# KiCad board TFLN_AI_NODE_X2.kicad_pcb (continued)
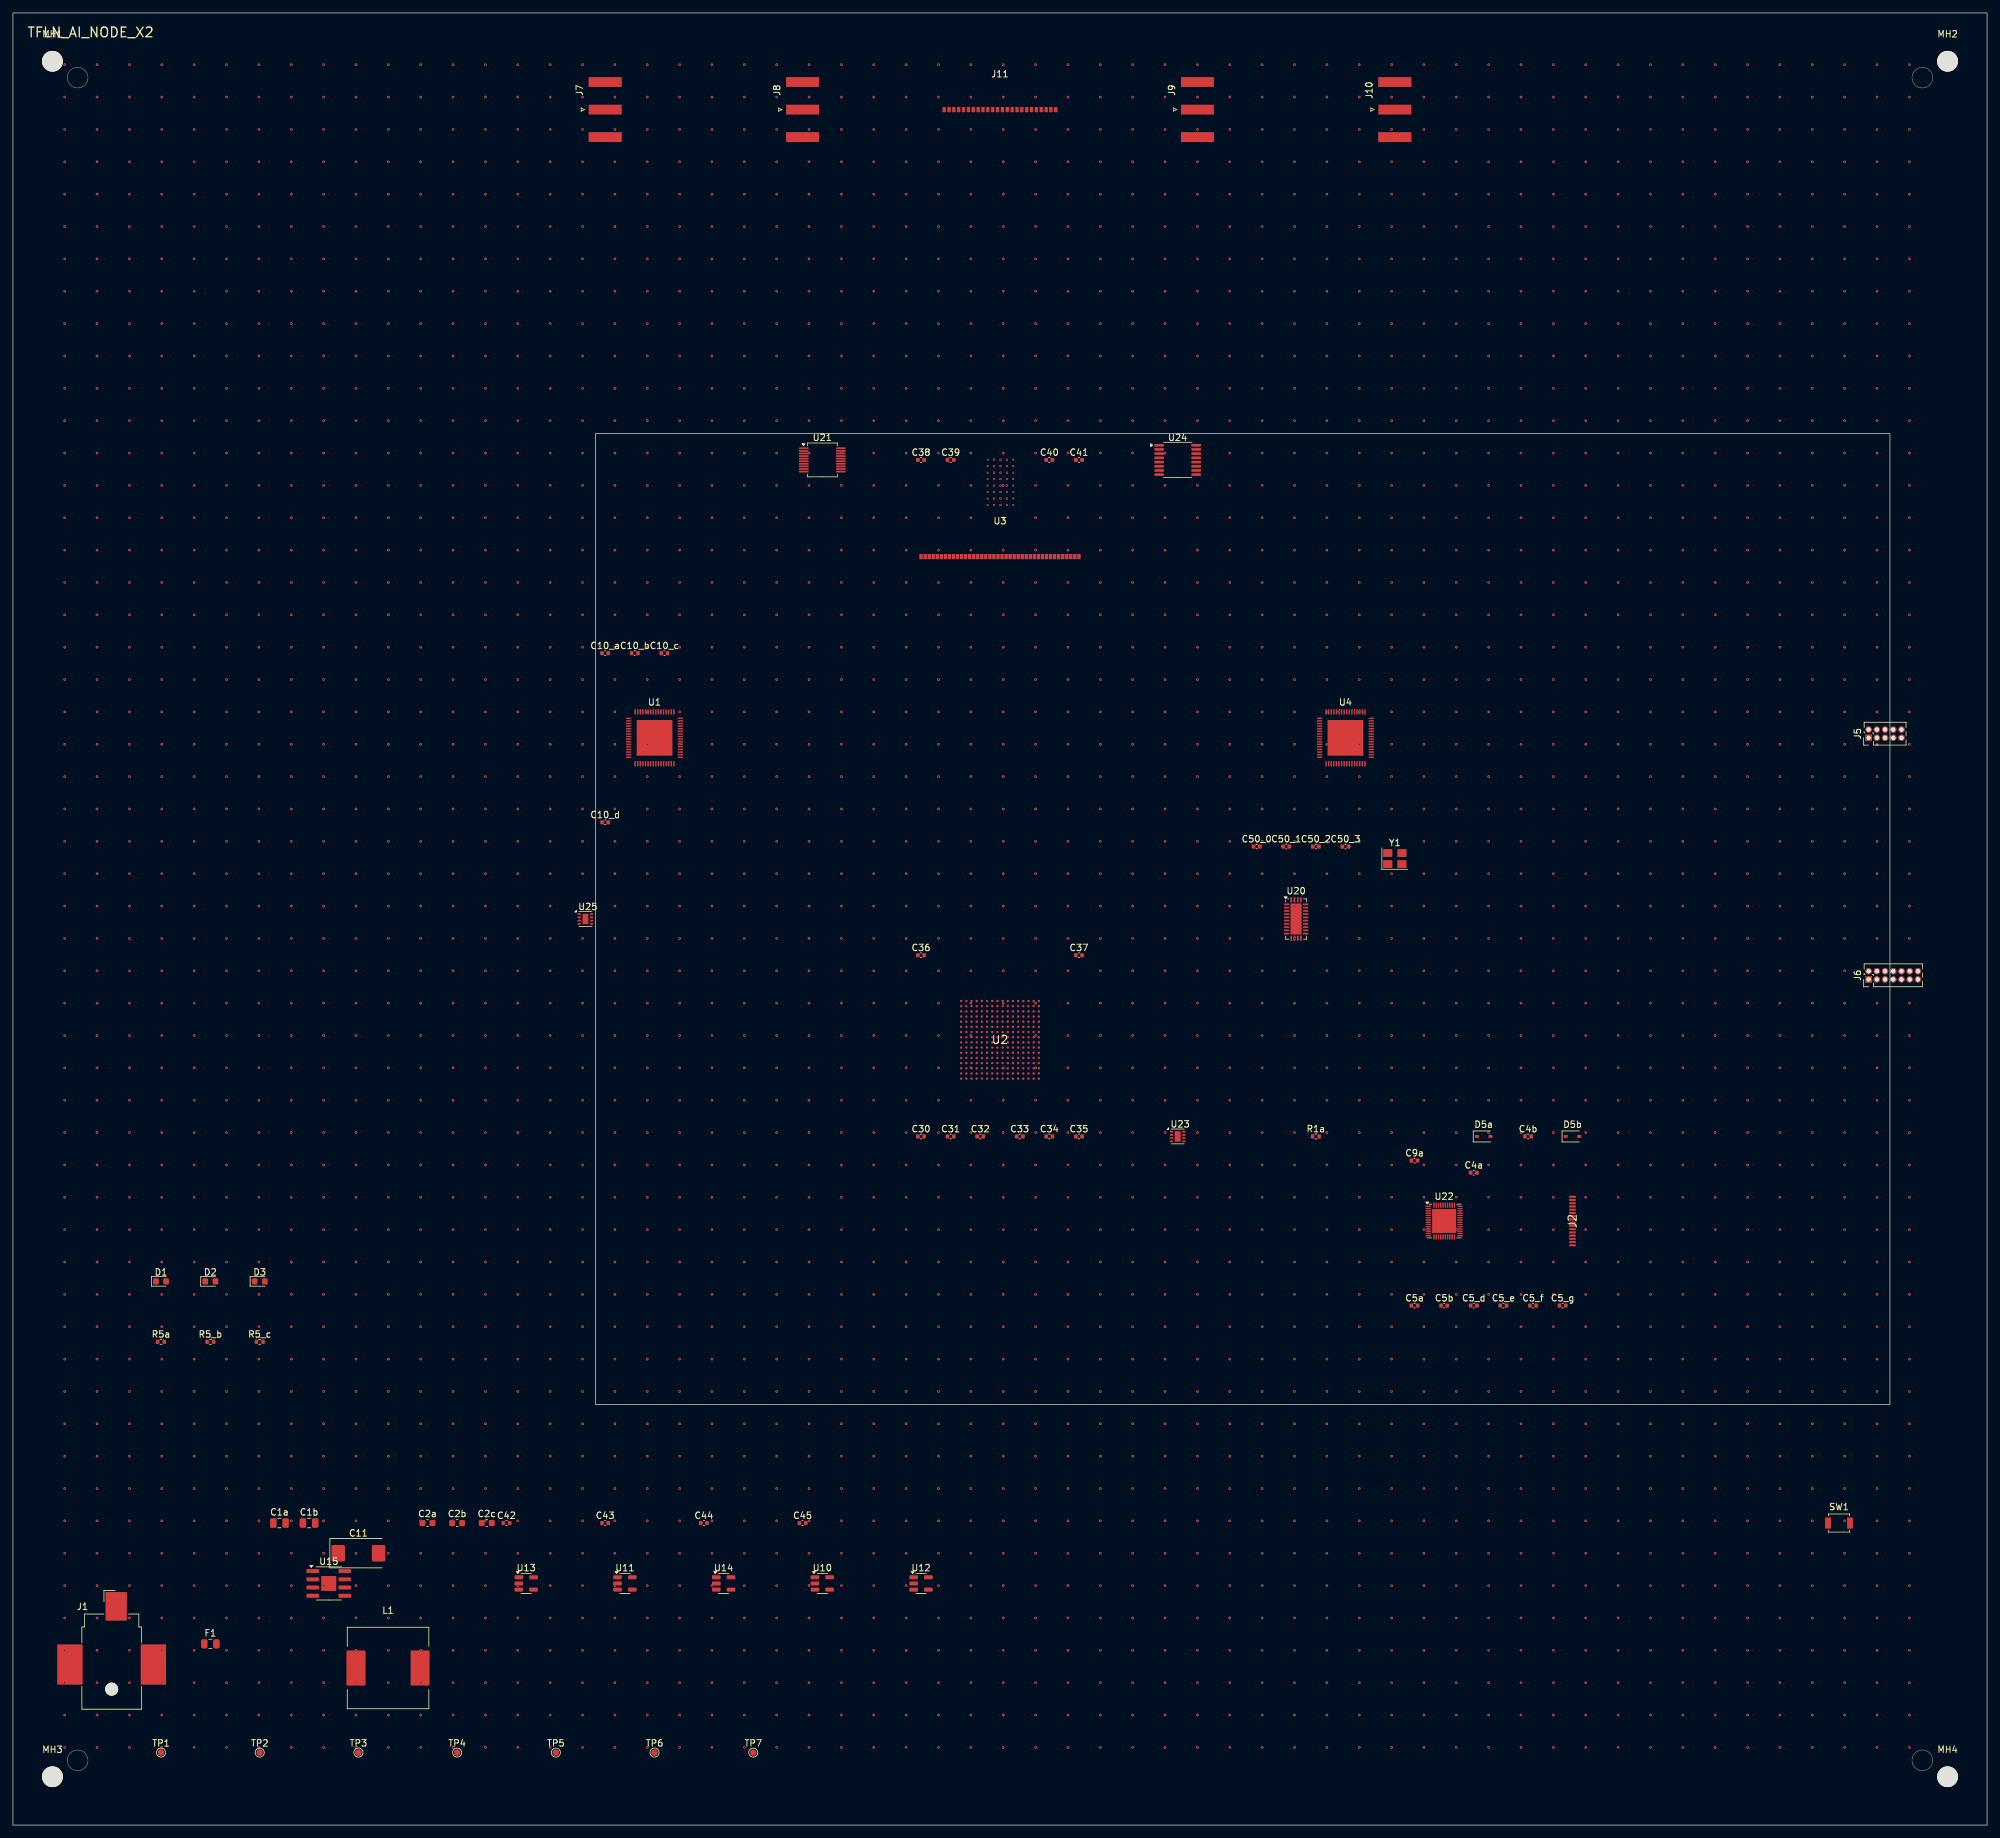
[diagram p0: board, top side]
## Footprints (pads in the part's own frame, mm; a bottom-side part is the same pattern mirrored in y, then rotated) (continued)
D_SOD-323
  rrect 0.6x0.45 smd: 1(-1.05,0) 2(1.05,0)
Fuse_0805_2012Metric
  rrect 0.975x1.4 smd: 1(-0.938,0) 2(0.938,0)
HSOP-8-1EP_3.9x4.9mm_P1.27mm_EP2.3x2.3mm
  rrect 0.93x0.93 smd: (-0.575,0.575) (-0.575,-0.575) (0.575,0.575) (0.575,-0.575)
  rrect 1.95x0.6 smd: 1(-2.475,1.905) 2(-2.475,0.635) 3(-2.475,-0.635) 4(-2.475,-1.905) 5(2.475,-1.905) 6(2.475,-0.635) 7(2.475,0.635) 8(2.475,1.905)
  rect 2.3x2.3 smd: 9(0,0)
L_12x12mm_H4.5mm
  rect 2.9x5.4 smd: 1(-4.95,0) 2(4.95,0)
LED_0603_1608Metric
  rrect 0.875x0.95 smd: 1(-0.787,0) 2(0.787,0)
MountingHole_3.2mm_M3
  round 3.2 hole 3.2 unplated: (0,0)
MPO-24
  rect 0.5x0.8 smd: 1(-8.625,0) 2(-7.875,0) 3(-7.125,0) 4(-6.375,0) 5(-5.625,0) 6(-4.875,0) 7(-4.125,0) 8(-3.375,0) 9(-2.625,0) 10(-1.875,0) 11(-1.125,0) 12(-0.375,0) 13(0.375,0) 14(1.125,0) 15(1.875,0) 16(2.625,0) 17(3.375,0) 18(4.125,0) 19(4.875,0) 20(5.625,0) 21(6.375,0) 22(7.125,0) 23(7.875,0) 24(8.625,0)
PinHeader_2x05_P1.27mm_Vertical
  rect 1x1 hole 0.65: 1(0,0)
  oval 1x1 hole 0.65: 2(1.27,0) 3(0,-1.27) 4(1.27,-1.27) 5(0,-2.54) 6(1.27,-2.54) 7(0,-3.81) 8(1.27,-3.81) 9(0,-5.08) 10(1.27,-5.08)
PinHeader_2x07_P1.27mm_Vertical
  rect 1x1 hole 0.65: 1(0,0)
  oval 1x1 hole 0.65: 2(1.27,0) 3(0,-1.27) 4(1.27,-1.27) 5(0,-2.54) 6(1.27,-2.54) 7(0,-3.81) 8(1.27,-3.81) 9(0,-5.08) 10(1.27,-5.08) 11(0,-6.35) 12(1.27,-6.35) 13(0,-7.62) 14(1.27,-7.62)
QFN-28-1EP_3x6mm_P0.5mm_EP1.7x4.75mm
  rrect 0.69x0.96 smd: (-0.425,1.785) (-0.425,0.595) (-0.425,-0.595) (-0.425,-1.785) (0.425,1.785) (0.425,0.595) (0.425,-0.595) (0.425,-1.785)
  rrect 0.825x0.25 smd: 1(-1.462,2.25) 2(-1.462,1.75) 3(-1.462,1.25) 4(-1.462,0.75) 5(-1.462,0.25) 6(-1.462,-0.25) 7(-1.462,-0.75) 8(-1.462,-1.25) 9(-1.462,-1.75) 10(-1.462,-2.25) 15(1.462,-2.25) 16(1.462,-1.75) 17(1.462,-1.25) 18(1.462,-0.75) 19(1.462,-0.25) 20(1.462,0.25) 21(1.462,0.75) 22(1.462,1.25) 23(1.462,1.75) 24(1.462,2.25)
  rrect 0.25x0.8 smd: 11(-0.75,-2.975) 12(-0.25,-2.975) 13(0.25,-2.975) 14(0.75,-2.975) 25(0.75,2.975) 26(0.25,2.975) 27(-0.25,2.975) 28(-0.75,2.975)
  rect 1.7x4.75 smd: 29(0,0)
QFN-48-1EP_5x5mm_P0.35mm_EP3.7x3.7mm
  rrect 0.99x0.99 smd: (-1.23,1.23) (-1.23,0) (-1.23,-1.23) (0,1.23) (0,0) (0,-1.23) (1.23,1.23) (1.23,0) (1.23,-1.23)
  rrect 0.8x0.2 smd: 1(-2.45,2.275) 2(-2.45,1.925) 3(-2.45,1.575) 4(-2.45,1.225) 5(-2.45,0.875) 6(-2.45,0.525) 7(-2.45,0.175) 8(-2.45,-0.175) 9(-2.45,-0.525) 10(-2.45,-0.875) 11(-2.45,-1.225) 12(-2.45,-1.575) 13(-2.45,-1.925) 14(-2.45,-2.275) 25(2.45,-2.275) 26(2.45,-1.925) 27(2.45,-1.575) 28(2.45,-1.225) 29(2.45,-0.875) 30(2.45,-0.525) 31(2.45,-0.175) 32(2.45,0.175) 33(2.45,0.525) 34(2.45,0.875) 35(2.45,1.225) 36(2.45,1.575) 37(2.45,1.925) 38(2.45,2.275)
  rrect 0.2x0.8 smd: 15(-1.575,-2.45) 16(-1.225,-2.45) 17(-0.875,-2.45) 18(-0.525,-2.45) 19(-0.175,-2.45) 20(0.175,-2.45) 21(0.525,-2.45) 22(0.875,-2.45) 23(1.225,-2.45) 24(1.575,-2.45) 39(1.575,2.45) 40(1.225,2.45) 41(0.875,2.45) 42(0.525,2.45) 43(0.175,2.45) 44(-0.175,2.45) 45(-0.525,2.45) 46(-0.875,2.45) 47(-1.225,2.45) 48(-1.575,2.45)
  rect 3.7x3.7 smd: 49(0,0)
QFN-64_8x8mm_P0.4mm
  rect 0.2x0.8 smd: 1(-3,-4) 2(-2.6,-4) 3(-2.2,-4) 4(-1.8,-4) 5(-1.4,-4) 6(-1,-4) 7(-0.6,-4) 8(-0.2,-4) 9(0.2,-4) 10(0.6,-4) 11(1,-4) 12(1.4,-4) 13(1.8,-4) 14(2.2,-4) 15(2.6,-4) 16(3,-4) 33(3,4) 34(2.6,4) 35(2.2,4) 36(1.8,4) 37(1.4,4) 38(1,4) 39(0.6,4) 40(0.2,4) 41(-0.2,4) 42(-0.6,4) 43(-1,4) 44(-1.4,4) 45(-1.8,4) 46(-2.2,4) 47(-2.6,4) 48(-3,4)
  rect 0.8x0.2 smd: 17(4,-3) 18(4,-2.6) 19(4,-2.2) 20(4,-1.8) 21(4,-1.4) 22(4,-1) 23(4,-0.6) 24(4,-0.2) 25(4,0.2) 26(4,0.6) 27(4,1) 28(4,1.4) 29(4,1.8) 30(4,2.2) 31(4,2.6) 32(4,3) 49(-4,3) 50(-4,2.6) 51(-4,2.2) 52(-4,1.8) 53(-4,1.4) 54(-4,1) 55(-4,0.6) 56(-4,0.2) 57(-4,-0.2) 58(-4,-0.6) 59(-4,-1) 60(-4,-1.4) 61(-4,-1.8) 62(-4,-2.2) 63(-4,-2.6) 64(-4,-3)
  rect 5.5x5.5 smd: 65(0,0)
R_0402_1005Metric
  rrect 0.54x0.64 smd: 1(-0.51,0) 2(0.51,0)
SMA_Amphenol_132289_EdgeMount
  rect 5.08x1.5 smd: 1(0,0) 2(0,4.25) 2(0,-4.25)
  rect 5.08x1.5 smd far side: 2(0,4.25) 2(0,-4.25)
SOT-23-5
  rrect 1.325x0.6 smd: 1(-1.137,0.95) 2(-1.137,0) 3(-1.137,-0.95) 4(1.137,-0.95) 5(1.137,0.95)
SW_SPST_B3U-1000P
  rect 0.9x1.7 smd: 1(-1.7,0) 2(1.7,0)
TestPoint_Pad_D1.0mm
  round 1 smd: 1(0,0)
TSOT-23-5
  rrect 1.325x0.6 smd: 1(-1.137,0.95) 2(-1.137,0) 3(-1.137,-0.95) 4(1.137,-0.95) 5(1.137,0.95)
TSSOP-16_4.4x5mm_P0.65mm
  rrect 1.475x0.4 smd: 1(-2.862,2.275) 2(-2.862,1.625) 3(-2.862,0.975) 4(-2.862,0.325) 5(-2.862,-0.325) 6(-2.862,-0.975) 7(-2.862,-1.625) 8(-2.862,-2.275) 9(2.862,-2.275) 10(2.862,-1.625) 11(2.862,-0.975) 12(2.862,-0.325) 13(2.862,0.325) 14(2.862,0.975) 15(2.862,1.625) 16(2.862,2.275)
TSSOP-20_4.4x5mm_P0.4mm
  rrect 1.475x0.25 smd: 1(-2.862,1.8) 2(-2.862,1.4) 3(-2.862,1) 4(-2.862,0.6) 5(-2.862,0.2) 6(-2.862,-0.2) 7(-2.862,-0.6) 8(-2.862,-1) 9(-2.862,-1.4) 10(-2.862,-1.8) 11(2.862,-1.8) 12(2.862,-1.4) 13(2.862,-1) 14(2.862,-0.6) 15(2.862,-0.2) 16(2.862,0.2) 17(2.862,0.6) 18(2.862,1) 19(2.862,1.4) 20(2.862,1.8)
USB_C_Numeric
  rect 0.3x1 smd: 1(-3.75,0) 2(-3.25,0) 3(-2.75,0) 4(-2.25,0) 5(-1.75,0) 6(-1.25,0) 7(-0.75,0) 8(-0.25,0) 9(0.25,0) 10(0.75,0) 11(1.25,0) 12(1.75,0) 13(2.25,0) 14(2.75,0) 15(3.25,0) 16(3.75,0)
WSON-8-1EP_2x2mm_P0.5mm_EP0.9x1.6mm
  rect 0.75x0.65 smd: (0,0.4) (0,-0.4)
  rrect 0.5x0.25 smd: 1(-0.95,0.75) 2(-0.95,0.25) 3(-0.95,-0.25) 4(-0.95,-0.75) 5(0.95,-0.75) 6(0.95,-0.25) 7(0.95,0.25) 8(0.95,0.75)
  rect 0.9x1.6 smd: 9(0,0)

## Nets
+0V9: C4b.1 C30.1 C31.1 C32.1 C33.1 TP6.1 U1.1 U1.2 U1.63 U4.1 U4.2 U4.63 U10.4
+1V0: C4a.1 C38.1 C39.1 C40.1 C41.1 TP5.1 U2.1 U2.2 U12.4
+1V8: C2b.1 C2c.1 C5b.1 C34.1 C35.1 C36.1 C37.1 C42.1 C43.1 C44.1 C45.1 C50_0.1 C50_1.1 C50_2.1 C50_3.1 TP4.1 U1.3 U1.4 U1.64 U2.3 U2.4 U3.1 U4.3 U4.4 U4.64 U10.1 U10.2 U11.4 U12.1 U12.2 U14.4 U20.2 U20.25 U20.26 U20.27
+3V3: C2a.1 C5_d.1 C5_e.1 C5_f.1 C5_g.1 C5a.1 J5.4 J6.1 R1a.1 R5a.1 TP3.1 U11.1 U11.2 U13.4 U14.1 U14.2 U20.1 U20.13 U21.1 U21.2 U21.17 U22.1 U22.2 U23.3 U23.7 U23.8 U24.1 U24.2 U24.13 U24.14 U25.1 Y1.1 Y1.2
+5V: C1b.1 L1.2 TP2.1 U13.1 U13.2
+5V_USB: J2.1
+12V: C1a.1 C11.1 F1.2 TP1.1 U15.2 U15.3
+12V_RAW: F1.1 J1.1
GND: C1a.2 C1b.2 C2a.2 C2b.2 C2c.2 C4a.2 C4b.2 C5_d.2 C5_e.2 C5_f.2 C5_g.2 C5a.2 C5b.2 C9a.2 C11.2 C30.2 C31.2 C32.2 C33.2 C34.2 C35.2 C36.2 C37.2 C38.2 C39.2 C40.2 C41.2 C42.2 C43.2 C44.2 C45.2 C50_0.2 C50_1.2 C50_2.2 C50_3.2 D1.2 D2.2 D3.2 D5a.2 D5b.2 J1.2 J2.8 J2.9 J5.2 J5.6 J6.2 J7.2 J8.2 J9.2 J10.2 SW1.2 TP7.1 U1.5 U1.6 U1.7 U1.8 U1.61 U1.62 U2.5 U2.6 U2.7 U2.8 U3.2 U3.3 U4.5 U4.6 U4.7 U4.8 U4.61 U4.62 U10.3 U11.5 U12.5 U13.5 U14.5 U15.4 U15.7 U20.3 U20.4 U20.6 U20.7 U20.8 U20.28 U21.3 U21.4 U21.18 U22.3 U22.4 U23.4 U24.3 U24.4 U24.12 U25.2 U25.6 U25.8 Y1.3
AXI_ACLK: U1.9 U2.9
AXI_ACLK_B: U4.9
AXI_ARADDR: U1.19
AXI_ARADDR_B: U4.19
AXI_ARESETN: U1.10 U2.10
AXI_ARESETN_B: U4.10
AXI_ARREADY: U1.21
AXI_ARREADY_B: U4.21
AXI_ARVALID: U1.20
AXI_ARVALID_B: U4.20
AXI_AWADDR: U1.11 U2.11
AXI_AWADDR_B: U4.11
AXI_AWREADY: U1.13
AXI_AWREADY_B: U4.13
AXI_AWVALID: U1.12 U2.12
AXI_AWVALID_B: U4.12
AXI_BRESP: U1.17
AXI_BRESP_B: U4.17
AXI_BVALID: U1.18
AXI_BVALID_B: U4.18
AXI_RDATA: U1.22 U2.15
AXI_RDATA_B: U4.22
AXI_RVALID: U1.23 U2.16
AXI_RVALID_B: U4.23
AXI_WDATA: U1.14 U2.13
AXI_WDATA_B: U4.14
AXI_WREADY: U1.16
AXI_WREADY_B: U4.16
AXI_WVALID: U1.15 U2.14
AXI_WVALID_B: U4.15
BOOT_5V: U15.1
CLK_12M: U22.11
CLK_12M_OUT: U22.12
CLK_100M: U20.5 Y1.4
CLK_100M_BUF: U20.23
CLK_100M_BUF_N: U20.24
CLK_CORE: U1.24 U2.25 U4.24 U20.15
CLK_CORE_N: U20.16
CLK_HBM: U20.21
CLK_HBM_N: U20.22
CLK_REF: U1.25 U2.26 U4.25 U20.17
CLK_REF_N: U20.18
CLK_SERDES: U20.19
CLK_SERDES_N: U20.20
COMP_5V: U15.6
DAC_V1: U3.12 U24.5
DAC_V2: U3.13 U24.6
DAC_V3: U3.14 U24.7
DAC_V4: U3.15 U24.8
FB_5V: U15.5
FLASH_CS: U2.20 U23.1
FLASH_MISO: U2.18 U23.2
FLASH_MOSI: U2.17 U23.5
FLASH_SCK: U2.19 U23.6
FPGA_GPIO0: J6.3 U2.29
FPGA_GPIO1: J6.4 U2.30
FPGA_GPIO2: J6.5 U2.31
FPGA_GPIO3: J6.6 U2.32
FT_PWREN: U22.21
FT_RXLED: R5_c.1 U22.23
FT_TXLED: R5_b.1 U22.22
HBM_DQ0: U1.41
HBM_DQ0_B: U4.41
HBM_DQ1: U1.42
HBM_DQ1_B: U4.42
HBM_DQ2: U1.43
HBM_DQ2_B: U4.43
HBM_DQ3: U1.44
HBM_DQ3_B: U4.44
HBM_DQ4: U1.45
HBM_DQ4_B: U4.45
HBM_DQ5: U1.46
HBM_DQ5_B: U4.46
HBM_DQ6: U1.47
HBM_DQ6_B: U4.47
HBM_DQ7: U1.48
HBM_DQ7_B: U4.48
I2C_SCL: J6.13 U1.49 U4.49 U20.10 U25.4
I2C_SDA: J6.14 U1.50 U4.50 U20.9 U25.3
JTAG_TCK: J5.1 U1.26 U2.21
JTAG_TCK_B: U4.26
JTAG_TDI: J5.9 U1.28 U2.23
JTAG_TDI_B: U4.28
JTAG_TDO: J5.3 U1.29 U2.24
JTAG_TDO_B: U4.29
JTAG_TMS: J5.5 U1.27 U2.22
JTAG_TMS_B: U4.27
JTAG_TRST: J5.10
LED_A: D1.1 R5a.2
LED_D2: D2.1 R5_b.2
LED_D3: D3.1 R5_c.2
MON_CH0: U3.25 U21.5
MON_CH1: U3.26 U21.6
MON_CH2: U3.27 U21.7
MON_CH3: U3.28 U21.8
MON_CH4: U3.29 U21.9
MON_CH5: U3.30 U21.10
MON_CH6: U3.31 U21.11
MON_CH7: U3.32 U21.12
NCE_GPIO0: U1.53
NCE_GPIO0_B: U4.53
NCE_GPIO1: U1.54
NCE_GPIO1_B: U4.54
NCE_GPIO2: U1.55
NCE_GPIO2_B: U4.55
NCE_GPIO3: U1.56
NCE_GPIO3_B: U4.56
NCE_PG: U1.58
NCE_PG_B: U4.58
NCE_STATUS: U1.59
NCE_STATUS_B: U4.59
NR_0V9: U10.5
NR_1V0: U12.3
NR_1V8: U11.3
NR_1V8F: U14.3
NR_3V3: U13.3
OPT_RX0: J11.5 U3.21
OPT_RX1: J11.6 U3.22
OPT_RX2: J11.7 U3.23
OPT_RX3: J11.8 U3.24
OPT_TX0: J11.1 U3.17
OPT_TX1: J11.2 U3.18
OPT_TX2: J11.3 U3.19
OPT_TX3: J11.4 U3.20
PLL_LOL: U20.12 U20.14
RESET_N: C9a.1 R1a.2 SW1.1 U1.60 U4.60 U20.11 U22.7
SMA_J7: C10_a.2 J7.1
SMA_J8: C10_b.2 J8.1
SMA_J9: C10_c.2 J9.1
SMA_J10: C10_d.2 J10.1
SPI_CLK: U1.30 U4.30 U21.13 U24.9
SPI_CS_ADC: U21.16
SPI_CS_DAC: U24.10
SPI_MISO: U1.32 U21.15
SPI_MISO_B: U4.32
SPI_MOSI: U1.31 U21.14 U24.11
SPI_MOSI_B: U4.31
SW_5V: L1.1 U15.8
TEMP_ALERT: U1.57 U25.5
TEMP_ALERT_B: U4.57
TEMP_DIODE: U3.16 U25.7
TFLN_TX_N0: C10_b.1 U1.34 U3.5
TFLN_TX_N0_B: U4.34
TFLN_TX_N1: C10_d.1 U1.36 U3.7
TFLN_TX_N1_B: U4.36
TFLN_TX_N2: U1.38 U3.9
TFLN_TX_N2_B: U4.38
TFLN_TX_N3: U1.40 U3.11
TFLN_TX_N3_B: U4.40
TFLN_TX_P0: C10_a.1 U1.33 U3.4
TFLN_TX_P0_B: U4.33
TFLN_TX_P1: C10_c.1 U1.35 U3.6
TFLN_TX_P1_B: U4.35
TFLN_TX_P2: U1.37 U3.8
TFLN_TX_P2_B: U4.37
TFLN_TX_P3: U1.39 U3.10
TFLN_TX_P3_B: U4.39
UART_CTS: U22.16
UART_RTS: U22.15
UART_RX: U1.52 U2.28 U22.14
UART_RX_B: U4.52
UART_TX: U1.51 U2.27 U22.13
UART_TX_B: U4.51
USB_DN: D5b.1 J2.5 U22.6
USB_DP: D5a.1 J2.4 U22.5

Pads without a net: J1 3; J2 2 3 6 7 10 11 12 13 14 15 16; J5 7 8; J6 7 8 9 10 11 12; J11 9 10 11 12 13 14 15 16 17 18 19 20 21 22 23 24; U1 65; U2 33 34 35 36 37 38 39 40 41 42 43 44 45 46 47 48 49 50 51 52 53 54 55 56 57 58 59 60 61 62 63 64 65 66 67 68 69 70 71 72 73 74 75 76 77 78 79 80 81 82 83 84 85 86 87 88 89 90 91 92 93 94 95 96 97 98 99 100 101 102 103 104 105 106 107 108 109 110 111 112 113 114 115 116 117 118 119 120 121 122 123 124 125 126 127 128 129 130 131 132 133 134 135 136 137 138 139 140 141 142 143 144 145 146 147 148 149 150 151 152 153 154 155 156 157 158 159 160 161 162 163 164 165 166 167 168 169 170 171 172 173 174 175 176 177 178 179 180 181 182 183 184 185 186 187 188 189 190 191 192 193 194 195 196 197 198 199 200 201 202 203 204 205 206 207 208 209 210 211 212 213 214 215 216 217 218 219 220 221 222 223 224 225 226 227 228 229 230 231 232 233 234 235 236 237 238 239 240 241 242 243 244 245 246 247 248 249 250 251 252 253 254 255 256; U3 33 34 35 36 37 38 39 40; U4 65; U15 9; U20 29; U21 19 20; U22 8 9 10 17 18 19 20 24 25 26 27 28 29 30 31 32 33 34 35 36 37 38 39 40 41 42 43 44 45 46 47 48 49; U23 9; U24 15 16; U25 9

## Via types
v1: diameter 0.4, hole 0.2, Top to Bottom, 3074 vias
v2: diameter 0.3, hole 0.15, Top to Bottom, 64 vias

## Routing (per net, layer and track width the routed paths; a pad name or vN(x,y) marks a point on that pad's centre or on a via; arc(x,y) is an arc through that point)
+1V8:
  vias: v1(68,47) v1(73,47) v1(148,127)
+3V3:
  vias: v1(63,47) v1(93,37) v1(108,37) v1(183,212)
+5V:
  vias: v1(63,27) v1(63,22) v1(78,37)
GND: length 178.8
  In5.Cu (L6 GND) w0.15: 101.12,166.36 150.5,166.36 ; 101.12,168.27 150.5,168.27
  In6.Cu (L7 TFLN/HBM) w0.1: 153,203.97 153,211.97 ; 153.2,203.97 153.2,211.97
  In6.Cu (L7 TFLN/HBM) w0.15: 152.4,203.97 152.4,211.97 ; 151.4,203.97 151.4,211.97 ; 153.75,203.97 153.75,211.97 ; 154.4,203.97 154.4,211.97 ; 152.75,203.97 152.75,211.97 ; 153.4,203.97 153.4,211.97 ; 151.75,203.97 151.75,211.97 ; 150.75,203.97 150.75,211.97
  vias: v1(8,272) v1(8,267) v1(8,262) v1(8,257) v1(8,252) v1(8,247) v1(8,242) v1(8,237) v1(8,232) v1(8,227) v1(8,222) v1(8,217) v1(8,212) v1(8,207) v1(8,202) v1(8,197) v1(8,192) v1(8,187) v1(8,182) v1(8,177) v1(8,172) v1(8,167) v1(8,162) v1(8,157) v1(8,152) v1(8,147) v1(8,142) v1(8,137) v1(8,132) v1(8,127) v1(8,122) v1(8,117) v1(8,112) v1(8,107) v1(8,102) v1(8,97) v1(8,92) v1(8,87) v1(8,82) v1(8,77) v1(8,72) v1(8,67) v1(8,62) v1(8,57) v1(8,52) v1(8,47) v1(8,42) v1(8,37) v1(8,32) v1(8,27) v1(8,22) v1(8,17) v1(8,12) v1(13,272) v1(13,267) v1(13,262) v1(13,257) v1(13,252) v1(13,247) v1(13,242) v1(13,237) v1(13,232) v1(13,227) v1(13,222) v1(13,217) v1(13,212) v1(13,207) v1(13,202) v1(13,197) v1(13,192) v1(13,187) v1(13,182) v1(13,177) v1(13,172) v1(13,167) v1(13,162) v1(13,157) v1(13,152) v1(13,147) v1(13,142) v1(13,137) v1(13,132) v1(13,127) v1(13,122) v1(13,117) v1(13,112) v1(13,107) v1(13,102) v1(13,97) v1(13,92) v1(13,87) v1(13,82) v1(13,77) v1(13,72) v1(13,67) v1(13,62) v1(13,57) v1(13,52) v1(13,47) v1(13,42) v1(13,37) v1(13,32) v1(13,27) v1(13,22) v1(13,17) v1(13,12) v1(18,272) v1(18,267) v1(18,262) v1(18,257) v1(18,252) v1(18,247) v1(18,242) v1(18,237) v1(18,232) v1(18,227) v1(18,222) v1(18,217) v1(18,212) v1(18,207) v1(18,202) v1(18,197) v1(18,192) v1(18,187) v1(18,182) v1(18,177) v1(18,172) v1(18,167) v1(18,162) v1(18,157) v1(18,152) v1(18,147) v1(18,142) v1(18,137) v1(18,132) v1(18,127) v1(18,122) v1(18,117) v1(18,112) v1(18,107) v1(18,102) v1(18,97) v1(18,92) v1(18,87) v1(18,82) v1(18,77) v1(18,72) v1(18,67) v1(18,62) v1(18,57) v1(18,52) v1(18,47) v1(18,42) v1(18,37) v1(18,32) v1(18,27) v1(18,22) v1(18,17) v1(18,12) v1(23,272) v1(23,267) v1(23,262) v1(23,257) v1(23,252) v1(23,247) v1(23,242) v1(23,237) v1(23,232) v1(23,227) v1(23,222) v1(23,217) v1(23,212) v1(23,207) v1(23,202) v1(23,197) v1(23,192) v1(23,187) v1(23,182) v1(23,177) v1(23,172) v1(23,167) v1(23,162) v1(23,157) v1(23,152) v1(23,147) v1(23,142) v1(23,137) v1(23,132) v1(23,127) v1(23,122) v1(23,117) v1(23,112) v1(23,107) v1(23,102) v1(23,97) v1(23,92) v1(23,87) v1(23,82) v1(23,77) v1(23,72) v1(23,67) v1(23,62) v1(23,57) v1(23,52) v1(23,47) v1(23,42) v1(23,37) v1(23,32) v1(23,27) v1(23,22) v1(23,17) v1(23,12) v1(28,272) v1(28,267) v1(28,262) v1(28,257) v1(28,252) v1(28,247) v1(28,242) v1(28,237) v1(28,232) v1(28,227) v1(28,222) v1(28,217) v1(28,212) v1(28,207) v1(28,202) v1(28,197) v1(28,192) v1(28,187) v1(28,182) v1(28,177) v1(28,172) v1(28,167) v1(28,162) v1(28,157) v1(28,152) v1(28,147) v1(28,142) v1(28,137) v1(28,132) v1(28,127) v1(28,122) v1(28,117) v1(28,112) v1(28,107) v1(28,102) v1(28,97) v1(28,92) v1(28,87) v1(28,82) v1(28,77) v1(28,72) v1(28,67) v1(28,62) v1(28,57) v1(28,52) v1(28,47) v1(28,42) v1(28,37) v1(28,32) v1(28,27) v1(28,22) v1(28,17) v1(28,12) v1(33,272) v1(33,267) v1(33,262) v1(33,257) v1(33,252) v1(33,247) v1(33,242) v1(33,237) v1(33,232) v1(33,227) v1(33,222) v1(33,217) v1(33,212) v1(33,207) v1(33,202) v1(33,197) v1(33,192) v1(33,187) v1(33,182) v1(33,177) v1(33,172) v1(33,167) v1(33,162) v1(33,157) v1(33,152) v1(33,147) v1(33,142) v1(33,137) v1(33,132) v1(33,127) v1(33,122) v1(33,117) v1(33,112) v1(33,107) v1(33,102) v1(33,97) v1(33,92) v1(33,87) v1(33,82) v1(33,77) v1(33,72) v1(33,67) v1(33,62) v1(33,57) v1(33,52) v1(33,47) v1(33,42) v1(33,37) v1(33,32) v1(33,27) v1(33,22) v1(33,17) v1(33,12) v1(38,272) v1(38,267) v1(38,262) v1(38,257) v1(38,252) v1(38,247) v1(38,242) v1(38,237) v1(38,232) v1(38,227) v1(38,222) v1(38,217) v1(38,212) v1(38,207) v1(38,202) v1(38,197) v1(38,192) v1(38,187) v1(38,182) v1(38,177) v1(38,172) v1(38,167) v1(38,162) v1(38,157) v1(38,152) v1(38,147) v1(38,142) v1(38,137) v1(38,132) v1(38,127) v1(38,122) v1(38,117) v1(38,112) v1(38,107) v1(38,102) v1(38,97) v1(38,92) v1(38,87) v1(38,82) v1(38,77) v1(38,72) v1(38,67) v1(38,62) v1(38,57) v1(38,52) v1(38,47) v1(38,42) v1(38,37) v1(38,32) v1(38,27) v1(38,22) v1(38,17) v1(38,12) v1(43,272) v1(43,267) v1(43,262) v1(43,257) v1(43,252) v1(43,247) v1(43,242) v1(43,237) v1(43,232) v1(43,227) v1(43,222) v1(43,217) v1(43,212) v1(43,207) v1(43,202) v1(43,197) v1(43,192) v1(43,187) v1(43,182) v1(43,177) v1(43,172) v1(43,167) v1(43,162) v1(43,157) v1(43,152) v1(43,147) v1(43,142) v1(43,137) v1(43,132) v1(43,127) v1(43,122) v1(43,117) v1(43,112) v1(43,107) v1(43,102) v1(43,97) v1(43,92) v1(43,87) v1(43,82) v1(43,77) v1(43,72) v1(43,67) v1(43,62) v1(43,57) v1(43,52) v1(43,47) v1(43,42) v1(43,37) v1(43,32) v1(43,27) v1(43,22) v1(43,17) v1(43,12) v1(48,272) v1(48,267) v1(48,262) v1(48,257) v1(48,252) v1(48,247) v1(48,242) v1(48,237) v1(48,232) v1(48,227) v1(48,222) v1(48,217) v1(48,212) v1(48,207) v1(48,202) v1(48,197) v1(48,192) v1(48,187) v1(48,182) v1(48,177) v1(48,172) v1(48,167) v1(48,162) v1(48,157) v1(48,152) v1(48,147) v1(48,142) v1(48,137) v1(48,132) v1(48,127) v1(48,122) v1(48,117) v1(48,112) v1(48,107) v1(48,102) v1(48,97) v1(48,92) v1(48,87) v1(48,82) v1(48,77) v1(48,72) v1(48,67) v1(48,62) v1(48,57) v1(48,52) v1(48,47) v1(48,42) v1(48,37) v1(48,32) v1(48,27) v1(48,22) v1(48,17) v1(48,12) v1(53,272) v1(53,267) v1(53,262) v1(53,257) v1(53,252) v1(53,247) v1(53,242) v1(53,237) v1(53,232) v1(53,227) v1(53,222) v1(53,217) v1(53,212) v1(53,207) v1(53,202) v1(53,197) v1(53,192) v1(53,187) v1(53,182) v1(53,177) v1(53,172) v1(53,167) v1(53,162) v1(53,157) v1(53,152) v1(53,147) v1(53,142) v1(53,137) v1(53,132) v1(53,127) v1(53,122) v1(53,117) v1(53,112) v1(53,107) v1(53,102) v1(53,97) v1(53,92) v1(53,87) v1(53,82) v1(53,77) v1(53,72) v1(53,67) v1(53,62) v1(53,57) v1(53,52) v1(53,47) v1(53,42) v1(53,37) v1(53,32) v1(53,17) v1(53,12) v1(58,272) v1(58,267) v1(58,262) v1(58,257) v1(58,252) v1(58,247) v1(58,242) v1(58,237) v1(58,232) v1(58,227) v1(58,222) v1(58,217) v1(58,212) v1(58,207) v1(58,202) v1(58,197) v1(58,192) v1(58,187) v1(58,182) v1(58,177) v1(58,172) v1(58,167) v1(58,162) v1(58,157) v1(58,152) v1(58,147) v1(58,142) v1(58,137) v1(58,132) v1(58,127) v1(58,122) v1(58,117) v1(58,112) v1(58,107) v1(58,102) v1(58,97) v1(58,92) v1(58,87) v1(58,82) v1(58,77) v1(58,72) v1(58,67) v1(58,62) v1(58,57) v1(58,52) v1(58,47) v1(58,42) v1(58,37) v1(58,32) v1(58,27) v1(58,22) v1(58,17) v1(58,12) v1(63,272) v1(63,267) v1(63,262) v1(63,257) v1(63,252) v1(63,247) v1(63,242) v1(63,237) v1(63,232) v1(63,227) v1(63,222) v1(63,217) v1(63,212) v1(63,207) v1(63,202) v1(63,197) v1(63,192) v1(63,187) v1(63,182) v1(63,177) v1(63,172) v1(63,167) v1(63,162) v1(63,157) v1(63,152) v1(63,147) v1(63,142) v1(63,137) v1(63,132) v1(63,127) v1(63,122) v1(63,117) v1(63,112) v1(63,107) v1(63,102) v1(63,97) v1(63,92) v1(63,87) v1(63,82) v1(63,77) v1(63,72) v1(63,67) v1(63,62) v1(63,57) v1(63,52) v1(63,42) v1(63,37) v1(63,32) v1(63,17) v1(63,12) v1(68,272) v1(68,267) v1(68,262) v1(68,257) v1(68,252) v1(68,247) v1(68,242) v1(68,237) v1(68,232) v1(68,227) v1(68,222) v1(68,217) v1(68,212) v1(68,207) v1(68,202) v1(68,197) v1(68,192) v1(68,187) v1(68,182) v1(68,177) v1(68,172) v1(68,167) v1(68,162) v1(68,157) v1(68,152) v1(68,147) v1(68,142) v1(68,137) v1(68,132) v1(68,127) v1(68,122) v1(68,117) v1(68,112) v1(68,107) v1(68,102) v1(68,97) v1(68,92) v1(68,87) v1(68,82) v1(68,77) v1(68,72) v1(68,67) v1(68,62) v1(68,57) v1(68,52) v1(68,42) v1(68,37) v1(68,32) v1(68,27) v1(68,22) v1(68,17) v1(68,12) v1(73,272) v1(73,267) v1(73,262) v1(73,257) v1(73,252) v1(73,247) v1(73,242) v1(73,237) v1(73,232) v1(73,227) v1(73,222) v1(73,217) v1(73,212) v1(73,207) v1(73,202) v1(73,197) v1(73,192) v1(73,187) v1(73,182) v1(73,177) v1(73,172) v1(73,167) v1(73,162) v1(73,157) v1(73,152) v1(73,147) v1(73,142) v1(73,137) v1(73,132) v1(73,127) v1(73,122) v1(73,117) v1(73,112) v1(73,107) v1(73,102) v1(73,97) v1(73,92) v1(73,87) v1(73,82) v1(73,77) v1(73,72) v1(73,67) v1(73,62) v1(73,57) v1(73,52) v1(73,42) v1(73,37) v1(73,32) v1(73,27) v1(73,22) v1(73,17) v1(73,12) v1(78,272) v1(78,267) v1(78,262) v1(78,257) v1(78,252) v1(78,247) v1(78,242) v1(78,237) v1(78,232) v1(78,227) v1(78,222) v1(78,217) v1(78,212) v1(78,207) v1(78,202) v1(78,197) v1(78,192) v1(78,187) v1(78,182) v1(78,177) v1(78,172) v1(78,167) v1(78,162) v1(78,157) v1(78,152) v1(78,147) v1(78,142) v1(78,137) v1(78,132) v1(78,127) v1(78,122) v1(78,117) v1(78,112) v1(78,107) v1(78,102) v1(78,97) v1(78,92) v1(78,87) v1(78,82) v1(78,77) v1(78,72) v1(78,67) v1(78,62) v1(78,57) v1(78,52) v1(78,47) v1(78,42) v1(78,32) v1(78,27) v1(78,22) v1(78,17) v1(78,12) v1(83,272) v1(83,267) v1(83,262) v1(83,257) v1(83,252) v1(83,247) v1(83,242) v1(83,237) v1(83,232) v1(83,227) v1(83,222) v1(83,217) v1(83,212) v1(83,207) v1(83,202) v1(83,197) v1(83,192) v1(83,187) v1(83,182) v1(83,177) v1(83,172) v1(83,167) v1(83,162) v1(83,157) v1(83,152) v1(83,147) v1(83,142) v1(83,137) v1(83,132) v1(83,127) v1(83,122) v1(83,117) v1(83,112) v1(83,107) v1(83,102) v1(83,97) v1(83,92) v1(83,87) v1(83,82) v1(83,77) v1(83,72) v1(83,67) v1(83,62) v1(83,57) v1(83,52) v1(83,47) v1(83,42) v1(83,37) v1(83,32) v1(83,27) v1(83,22) v1(83,17) v1(83,12) v1(88,272) v1(88,267) v1(88,262) v1(88,257) v1(88,252) v1(88,247) v1(88,242) v1(88,237) v1(88,232) v1(88,227) v1(88,222) v1(88,217) v1(88,212) v1(88,207) v1(88,202) v1(88,197) v1(88,192) v1(88,187) v1(88,182) v1(88,177) v1(88,172) v1(88,167) v1(88,162) v1(88,157) v1(88,152) v1(88,147) v1(88,142) v1(88,137) v1(88,132) v1(88,127) v1(88,122) v1(88,117) v1(88,112) v1(88,107) v1(88,102) v1(88,97) v1(88,92) v1(88,87) v1(88,82) v1(88,77) v1(88,72) v1(88,67) v1(88,62) v1(88,57) v1(88,52) v1(88,47) v1(88,42) v1(88,37) v1(88,32) v1(88,27) v1(88,22) v1(88,17) v1(88,12) v1(93,272) v1(93,267) v1(93,262) v1(93,257) v1(93,252) v1(93,247) v1(93,242) v1(93,237) v1(93,232) v1(93,227) v1(93,222) v1(93,217) v1(93,212) v1(93,207) v1(93,202) v1(93,197) v1(93,192) v1(93,187) v1(93,182) v1(93,177) v1(93,172) v1(93,167) v1(93,162) v1(93,157) v1(93,152) v1(93,147) v1(93,142) v1(93,137) v1(93,132) v1(93,127) v1(93,122) v1(93,117) v1(93,112) v1(93,107) v1(93,102) v1(93,97) v1(93,92) v1(93,87) v1(93,82) v1(93,77) v1(93,72) v1(93,67) v1(93,62) v1(93,57) v1(93,52) v1(93,47) v1(93,42) v1(93,32) v1(93,27) v1(93,22) v1(93,17) v1(93,12) v1(98,272) v1(98,267) v1(98,262) v1(98,257) v1(98,252) v1(98,247) v1(98,242) v1(98,237) v1(98,232) v1(98,227) v1(98,222) v1(98,217) v1(98,212) v1(98,207) v1(98,202) v1(98,197) v1(98,192) v1(98,187) v1(98,182) v1(98,177) v1(98,172) v1(98,167) v1(98,162) v1(98,157) v1(98,152) v1(98,147) v1(98,142) v1(98,137) v1(98,132) v1(98,127) v1(98,122) v1(98,117) v1(98,112) v1(98,107) v1(98,102) v1(98,97) v1(98,92) v1(98,87) v1(98,82) v1(98,77) v1(98,72) v1(98,67) v1(98,62) v1(98,57) v1(98,52) v1(98,47) v1(98,42) v1(98,37) v1(98,32) v1(98,27) v1(98,22) v1(98,17) v1(98,12) v1(103,272) v1(103,267) v1(103,262) v1(103,257) v1(103,252) v1(103,247) v1(103,242) v1(103,237) v1(103,232) v1(103,227) v1(103,222) v1(103,217) v1(103,212) v1(103,207) v1(103,202) v1(103,197) v1(103,192) v1(103,187) v1(103,182) v1(103,177) v1(103,172) v1(103,162) v1(103,157) v1(103,152) v1(103,147) v1(103,142) v1(103,137) v1(103,132) v1(103,127) v1(103,122) v1(103,117) v1(103,112) v1(103,107) v1(103,102) v1(103,97) v1(103,92) v1(103,87) v1(103,82) v1(103,77) v1(103,72) v1(103,67) v1(103,62) v1(103,57) v1(103,52) v1(103,47) v1(103,42) v1(103,37) v1(103,32) v1(103,27) v1(103,22) v1(103,17) v1(103,12) v1(108,272) v1(108,267) v1(108,262) v1(108,257) v1(108,252) v1(108,247) v1(108,242) v1(108,237) v1(108,232) v1(108,227) v1(108,222) v1(108,217) v1(108,212) v1(108,207) v1(108,202) v1(108,197) v1(108,192) v1(108,187) v1(108,182) v1(108,177) v1(108,172) v1(108,162) v1(108,157) v1(108,152) v1(108,147) v1(108,142) v1(108,137) v1(108,132) v1(108,127) v1(108,122) v1(108,117) v1(108,112) v1(108,107) v1(108,102) v1(108,97) v1(108,92) v1(108,87) v1(108,82) v1(108,77) v1(108,72) v1(108,67) v1(108,62) v1(108,57) v1(108,52) v1(108,47) v1(108,42) v1(108,32) v1(108,27) v1(108,22) v1(108,17) v1(108,12) v1(113,272) v1(113,267) v1(113,262) v1(113,257) v1(113,252) v1(113,247) v1(113,242) v1(113,237) v1(113,232) v1(113,227) v1(113,222) v1(113,217) v1(113,212) v1(113,207) v1(113,202) v1(113,197) v1(113,192) v1(113,187) v1(113,182) v1(113,177) v1(113,172) v1(113,162) v1(113,157) v1(113,152) v1(113,147) v1(113,142) v1(113,137) v1(113,132) v1(113,127) v1(113,122) v1(113,117) v1(113,112) v1(113,107) v1(113,102) v1(113,97) v1(113,92) v1(113,87) v1(113,82) v1(113,77) v1(113,72) v1(113,67) v1(113,62) v1(113,57) v1(113,52) v1(113,47) v1(113,42) v1(113,37) v1(113,32) v1(113,27) v1(113,22) v1(113,17) v1(113,12) v1(118,272) v1(118,267) v1(118,262) v1(118,257) v1(118,252) v1(118,247) v1(118,242) v1(118,237) v1(118,232) v1(118,227) v1(118,222) v1(118,217) v1(118,212) v1(118,207) v1(118,202) v1(118,197) v1(118,192) v1(118,187) v1(118,182) v1(118,177) v1(118,172) v1(118,162) v1(118,157) v1(118,152) v1(118,147) v1(118,142) v1(118,137) v1(118,132) v1(118,127) v1(118,122) v1(118,117) v1(118,112) v1(118,107) v1(118,102) v1(118,97) v1(118,92) v1(118,87) v1(118,82) v1(118,77) v1(118,72) v1(118,67) v1(118,62) v1(118,57) v1(118,52) v1(118,47) v1(118,42) v1(118,37) v1(118,32) v1(118,27) v1(118,22) v1(118,17) v1(118,12) v1(123,272) v1(123,267) v1(123,262) v1(123,257) v1(123,252) v1(123,247) v1(123,242) v1(123,237) v1(123,232) v1(123,227) v1(123,222) v1(123,217) v1(123,212) v1(123,207) v1(123,202) v1(123,197) v1(123,192) v1(123,187) v1(123,182) v1(123,177) v1(123,172) v1(123,162) v1(123,157) v1(123,152) v1(123,147) v1(123,142) v1(123,137) v1(123,132) v1(123,127) v1(123,122) v1(123,117) v1(123,112) v1(123,107) v1(123,102) v1(123,97) v1(123,92) v1(123,87) v1(123,82) v1(123,77) v1(123,72) v1(123,67) v1(123,62) v1(123,57) v1(123,52) v1(123,47) v1(123,42) v1(123,37) v1(123,32) v1(123,27) v1(123,22) v1(123,17) v1(123,12) v1(128,272) v1(128,267) v1(128,262) v1(128,257) v1(128,252) v1(128,247) v1(128,242) v1(128,237) v1(128,232) v1(128,227) v1(128,222) v1(128,217) v1(128,212) v1(128,207) v1(128,202) v1(128,197) v1(128,192) v1(128,187) v1(128,182) v1(128,177) v1(128,172) v1(128,162) v1(128,157) v1(128,152) v1(128,147) v1(128,142) v1(128,137) v1(128,132) v1(128,127) v1(128,122) v1(128,117) v1(128,112) v1(128,107) v1(128,102) v1(128,97) v1(128,92) v1(128,87) v1(128,82) v1(128,77) v1(128,72) v1(128,67) v1(128,62) v1(128,57) v1(128,52) v1(128,47) v1(128,42) v1(128,37) v1(128,32) v1(128,27) v1(128,22) v1(128,17) v1(128,12) v1(133,272) v1(133,267) v1(133,262) v1(133,257) v1(133,252) v1(133,247) v1(133,242) v1(133,237) v1(133,232) v1(133,227) v1(133,222) v1(133,217) v1(133,212) v1(133,207) v1(133,202) v1(133,197) v1(133,192) v1(133,187) v1(133,182) v1(133,177) v1(133,172) v1(133,162) v1(133,157) v1(133,152) v1(133,147) v1(133,142) v1(133,137) v1(133,132) v1(133,127) v1(133,122) v1(133,117) v1(133,112) v1(133,107) v1(133,102) v1(133,97) v1(133,92) v1(133,87) v1(133,82) v1(133,77) v1(133,72) v1(133,67) v1(133,62) v1(133,57) v1(133,52) v1(133,47) v1(133,42) v1(133,37) v1(133,32) v1(133,27) v1(133,22) v1(133,17) v1(133,12) v1(138,272) v1(138,267) v1(138,262) v1(138,257) v1(138,252) v1(138,247) v1(138,242) v1(138,237) v1(138,232) v1(138,227) v1(138,222) v1(138,217) v1(138,212) v1(138,207) v1(138,202) v1(138,197) v1(138,192) v1(138,187) v1(138,182) v1(138,177) v1(138,172) v1(138,162) v1(138,157) v1(138,152) v1(138,147) v1(138,142) v1(138,137) v1(138,132) v1(138,127) v1(138,122) v1(138,117) v1(138,112) v1(138,107) v1(138,102) v1(138,97) v1(138,92) v1(138,87) v1(138,82) v1(138,77) v1(138,72) v1(138,67) v1(138,62) v1(138,57) v1(138,52) v1(138,47) v1(138,42) v1(138,37) v1(138,32) v1(138,27) v1(138,22) v1(138,17) v1(138,12) v1(143,272) v1(143,267) v1(143,262) v1(143,257) v1(143,252) v1(143,247) v1(143,242) v1(143,237) v1(143,232) v1(143,227) v1(143,222) v1(143,217) v1(143,212) v1(143,207) v1(143,202) v1(143,197) v1(143,192) v1(143,187) v1(143,182) v1(143,177) v1(143,172) v1(143,162) v1(143,157) v1(143,152) v1(143,147) v1(143,142) v1(143,137) v1(143,132) v1(143,127) v1(143,122) v1(143,117) v1(143,112) v1(143,107) v1(143,102) v1(143,97) v1(143,92) v1(143,87) v1(143,82) v1(143,77) v1(143,72) v1(143,67) v1(143,62) v1(143,57) v1(143,52) v1(143,47) v1(143,42) v1(143,37) v1(143,32) v1(143,27) v1(143,22) v1(143,17) v1(143,12) v1(148,272) v1(148,267) v1(148,262) v1(148,257) v1(148,252) v1(148,247) v1(148,242) v1(148,237) v1(148,232) v1(148,227) v1(148,222) v1(148,217) v1(148,212) v1(148,207) v1(148,202) v1(148,197) v1(148,192) v1(148,187) v1(148,182) v1(148,177) v1(148,172) v1(148,162) v1(148,157) v1(148,152) v1(148,147) v1(148,142) v1(148,137) v1(148,132) v1(148,122) v1(148,117) v1(148,112) v1(148,107) v1(148,102) v1(148,97) v1(148,92) v1(148,87) v1(148,82) v1(148,77) v1(148,72) v1(148,67) v1(148,62) v1(148,57) v1(148,52) v1(148,47) v1(148,42) v1(148,37) v1(148,32) v1(148,27) v1(148,22) v1(148,17) v1(148,12) v1(153,272) v1(153,267) v1(153,262) v1(153,257) v1(153,252) v1(153,247) v1(153,242) v1(153,237) v1(153,232) v1(153,227) v1(153,222) v1(153,217) v1(153,212) v1(153,207) v1(153,202) v1(153,197) v1(153,192) v1(153,187) v1(153,182) v1(153,177) v1(153,172) v1(153,167) v1(153,162) v1(153,157) v1(153,152) v1(153,147) v1(153,142) v1(153,137) v1(153,132) v1(153,122) v1(153,117) v1(153,112) v1(153,107) v1(153,102) v1(153,97) v1(153,92) v1(153,87) v1(153,82) v1(153,77) v1(153,72) v1(153,67) v1(153,62) v1(153,57) v1(153,52) v1(153,47) v1(153,42) v1(153,37) v1(153,32) v1(153,27) v1(153,22) v1(153,17) v1(153,12) v1(158,272) v1(158,267) v1(158,262) v1(158,257) v1(158,252) v1(158,247) v1(158,242) v1(158,237) v1(158,232) v1(158,227) v1(158,222) v1(158,217) v1(158,212) v1(158,207) v1(158,202) v1(158,197) v1(158,192) v1(158,187) v1(158,182) v1(158,177) v1(158,172) v1(158,167) v1(158,162) v1(158,157) v1(158,152) v1(158,147) v1(158,142) v1(158,137) v1(158,132) v1(158,127) v1(158,122) v1(158,117) v1(158,112) v1(158,107) v1(158,102) v1(158,97) v1(158,92) v1(158,87) v1(158,82) v1(158,77) v1(158,72) v1(158,67) v1(158,62) v1(158,57) v1(158,52) v1(158,47) v1(158,42) v1(158,37) v1(158,32) v1(158,27) v1(158,22) v1(158,17) v1(158,12) v1(163,272) v1(163,267) v1(163,262) v1(163,257) v1(163,252) v1(163,247) v1(163,242) v1(163,237) v1(163,232) v1(163,227) v1(163,222) v1(163,217) v1(163,212) v1(163,207) v1(163,202) v1(163,197) v1(163,192) v1(163,187) v1(163,182) v1(163,177) v1(163,172) v1(163,167) v1(163,162) v1(163,157) v1(163,152) v1(163,147) v1(163,142) v1(163,137) v1(163,132) v1(163,127) v1(163,122) v1(163,117) v1(163,112) v1(163,107) v1(163,102) v1(163,97) v1(163,92) v1(163,87) v1(163,82) v1(163,77) v1(163,72) v1(163,67) v1(163,62) v1(163,57) v1(163,52) v1(163,47) v1(163,42) v1(163,37) v1(163,32) v1(163,27) v1(163,22) v1(163,17) v1(163,12) v1(168,272) v1(168,267) v1(168,262) v1(168,257) v1(168,252) v1(168,247) v1(168,242) v1(168,237) v1(168,232) v1(168,227) v1(168,222) v1(168,217) v1(168,212) v1(168,207) v1(168,202) v1(168,197) v1(168,192) v1(168,187) v1(168,182) v1(168,177) v1(168,172) v1(168,167) v1(168,162) v1(168,157) v1(168,152) v1(168,147) v1(168,142) v1(168,137) v1(168,132) v1(168,127) v1(168,122) v1(168,117) v1(168,112) v1(168,107) v1(168,102) v1(168,97) v1(168,92) v1(168,87) v1(168,82) v1(168,77) v1(168,72) v1(168,67) v1(168,62) v1(168,57) v1(168,52) v1(168,47) v1(168,42) v1(168,37) v1(168,32) v1(168,27) v1(168,22) v1(168,17) v1(168,12) v1(173,272) v1(173,267) v1(173,262) v1(173,257) v1(173,252) v1(173,247) v1(173,242) v1(173,237) v1(173,232) v1(173,227) v1(173,222) v1(173,217) v1(173,212) v1(173,207) v1(173,202) v1(173,197) v1(173,192) v1(173,187) v1(173,182) v1(173,177) v1(173,172) v1(173,167) v1(173,162) v1(173,157) v1(173,152) v1(173,147) v1(173,142) v1(173,137) v1(173,132) v1(173,127) v1(173,122) v1(173,117) v1(173,112) v1(173,107) v1(173,102) v1(173,97) v1(173,92) v1(173,87) v1(173,82) v1(173,77) v1(173,72) v1(173,67) v1(173,62) v1(173,57) v1(173,52) v1(173,47) v1(173,42) v1(173,37) v1(173,32) v1(173,27) v1(173,22) v1(173,17) v1(173,12) v1(178,272) v1(178,267) v1(178,262) v1(178,257) v1(178,252) v1(178,247) v1(178,242) v1(178,237) v1(178,232) v1(178,227) v1(178,222) v1(178,217) v1(178,212) v1(178,207) v1(178,202) v1(178,197) v1(178,192) v1(178,187) v1(178,182) v1(178,177) v1(178,172) v1(178,167) v1(178,162) v1(178,157) 